# Altium PCB PCB2.PcbDoc (part 2 of 2)
Units mm, origin at the board's own origin, x right, y up, seen from the top; angles counter-clockwise.
Board outline 100.05 x 80.64 mm, 4 copper layers (Top Layer, Layer 2, Layer 3, Bottom Layer), stack 0.568 mm thick; 125 components, 107 nets, 600 pads, 307 vias.
Unrouted connection lines stored in the file: 1.
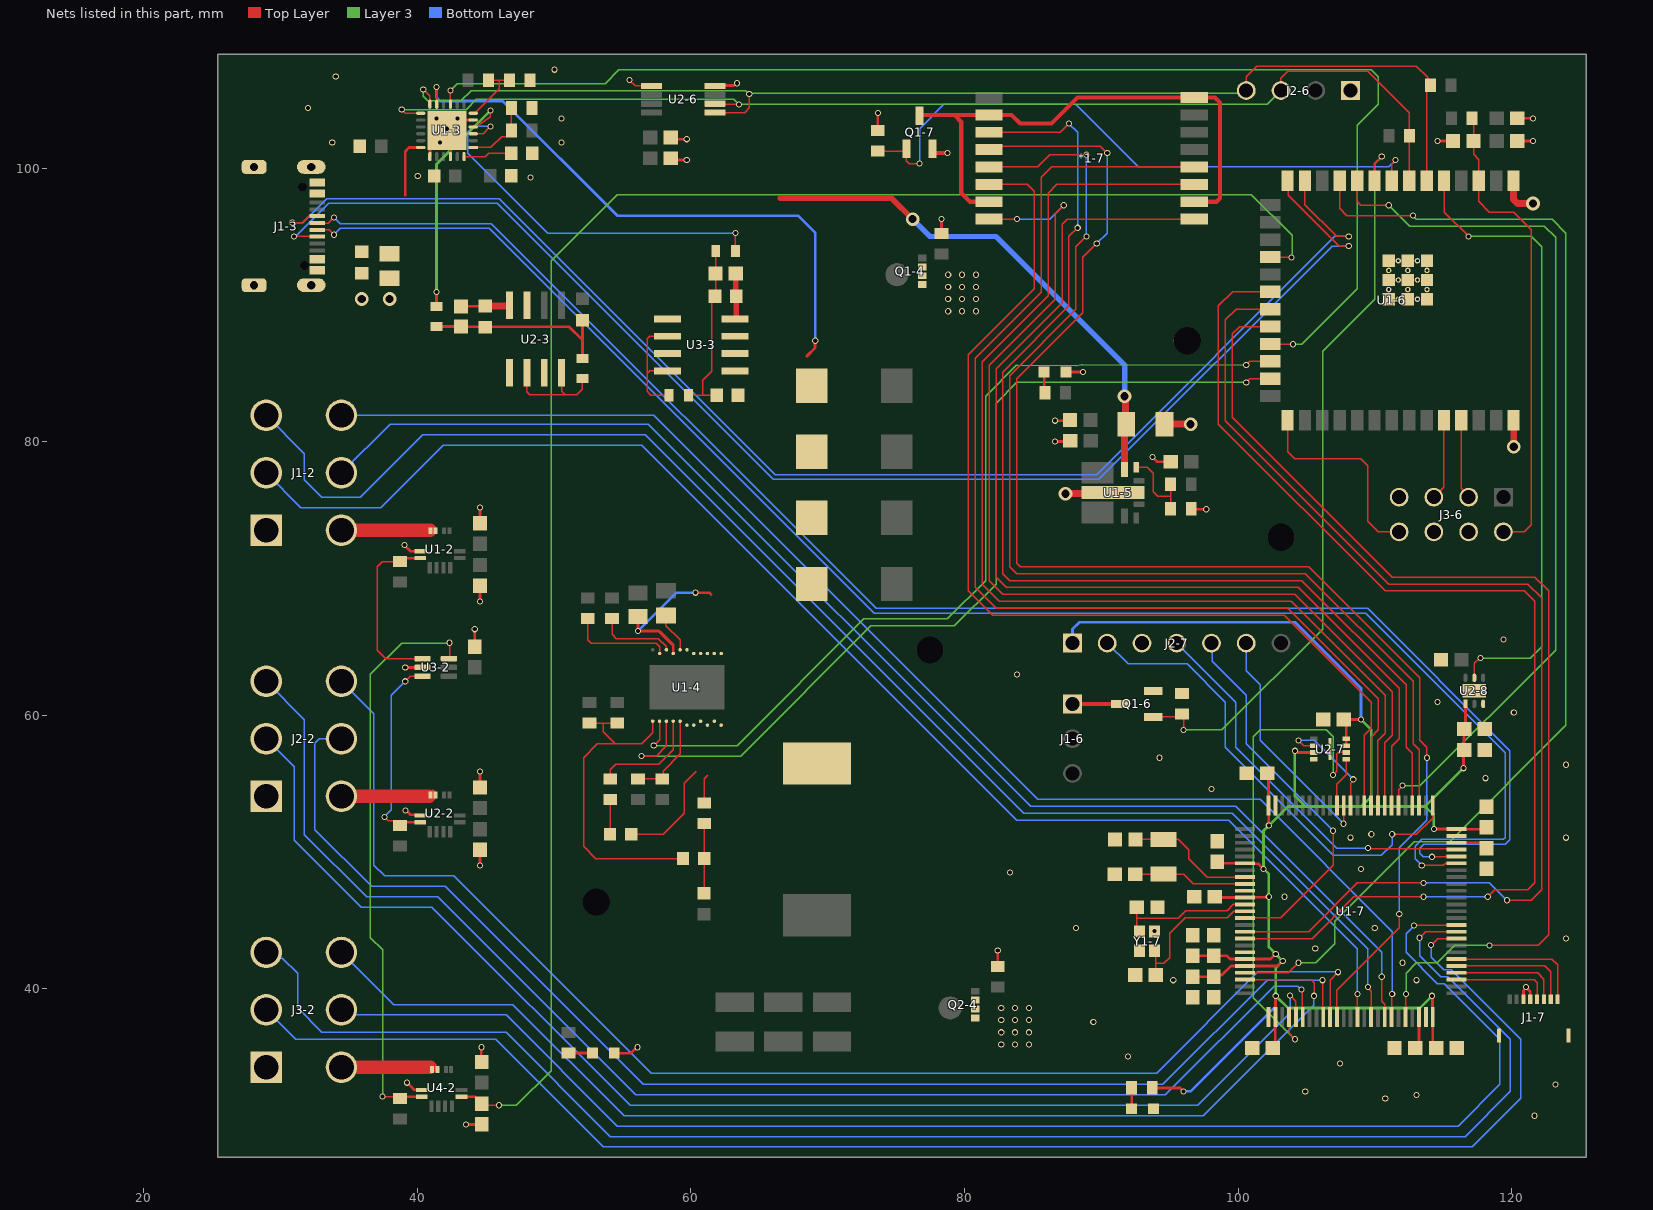
[diagram p4: the nets of this part, all layers, seen from the top]

## Via types
v1: diameter 0.45, hole 0.3, Top Layer to Bottom Layer, 274 vias
v2: diameter 0.6, hole 0.3, Top Layer to Bottom Layer, 21 vias
v3: diameter 1, hole 0.6, Top Layer to Bottom Layer, 9 vias
v4: diameter 0.9, hole 0.6, Top Layer to Bottom Layer, 3 vias

## Nets (pads, with @x,y where several pads share a name; then routed paths per layer and width w, separated by ;. In a path a pad name is that pad's centre, name@x,y a point inside that pad or via, vN(x,y) a via of type N, cw(c..) or ccw(c..) an arc to the next point about the centre after c; other vN are vias at no path point) (continued)
current-2: C6-2.1 U1-6.18 U4-2.11 | length 127.6
  Top Layer w0.1: C6-2.1@44.803,31.512 44.819,31.496 v1(45.974,31.496) ; U1-6.18@102.358,93.493 102.379,93.472 v1(103.886,93.472)
  Top Layer w0.2: U4-2.11@43.233,32.118 44.222,32.118 C6-2.1@44.704,31.636
  Top Layer w0.381: C6-2.1@44.704,31.636 C6-2.1@44.704,31.611 C6-2.1@44.803,31.512
  Layer 3 w0.1: v1(45.974,31.496) 47.244,31.496 49.784,34.036 49.784,93.218 54.61,98.044 100.965,98.044 103.937,95.072 103.937,93.523 v1(103.886,93.472)
DIS0-CH0: J1-2.2 U1-7.39 | length 102.9
  Top Layer w0.1: v1(108.712,39.624) v1(108.712,39.624) 108.713,37.96 U1-7.39@108.715,37.958
  Bottom Layer w0.1: J1-2.2@28.956,77.724 31.496,75.184 37.338,75.184 41.91,79.756 56.388,79.756 83.82,52.324 99.314,52.324 108.712,42.926 v1(108.712,39.624)
DIS0-CH1: J1-2.3 U1-7.41 | length 106.6
  Top Layer w0.1: v1(109.474,40.132) 109.474,40.083 109.715,39.842 U1-7.41@109.715,37.958
  Bottom Layer w0.1: J1-2.3@28.956,81.924 31.75,79.13 31.75,77.216 33.02,75.946 35.814,75.946 40.386,80.518 56.642,80.518 84.328,52.832 99.568,52.832 109.474,42.926 v1(109.474,40.132)
DIS0-CH2: J1-2.5 U1-7.43 | length 98.3
  Top Layer w0.1: v1(110.49,40.894) 110.49,39.116 110.715,38.891 U1-7.43@110.715,37.958
  Bottom Layer w0.1: J1-2.5@34.456,77.724 38.012,81.28 56.896,81.28 84.836,53.34 99.822,53.34 110.49,42.672 v1(110.49,40.894)
DIS0-CH3: J1-2.6 U1-7.44 | length 98.7
  Top Layer w0.1: U1-7.44@111.215,37.958 111.233,37.977 111.233,39.605 v1(111.252,39.624)
  Bottom Layer w0.1: J1-2.6@34.456,81.924 57.268,81.924 85.344,53.848 101.6,53.848 111.252,44.196 v1(111.252,39.624)
DIS1-CH0: J2-2.2 U1-7.30 | length 94.9
  Top Layer w0.1: v1(103.784,39.522) 104.215,39.092 U1-7.30@104.215,37.958
  Bottom Layer w0.1: J2-2.2@28.956,58.284 30.988,56.252 30.988,50.876 35.89,45.974 41.072,45.974 55.55,31.496 97.028,31.496 103.784,38.252 v1(103.784,39.522)
DIS1-CH1: J2-2.3 U1-7.31 | length 98.5
  Top Layer w0.1: v1(104.623,39.954) 104.669,39.908 104.669,38.004 U1-7.31@104.715,37.958
  Bottom Layer w0.1: J2-2.3@28.956,62.484 31.75,59.69 31.75,51.283 36.297,46.736 41.504,46.736 55.982,32.258 94.666,32.258 102.616,40.208 104.346,40.208 104.6,39.954 v1(104.623,39.954)
DIS1-CH2: J2-2.5 U1-7.34 | length 95.6
  Top Layer w0.1: v1(106.172,40.64) 106.193,40.619 106.193,37.98 U1-7.34@106.215,37.958
  Bottom Layer w0.1: J2-2.5@34.456,58.284 32.833,58.284 32.512,57.963 32.512,51.638 36.652,47.498 42.037,47.498 56.515,33.02 94.488,33.02 102.108,40.64 v1(106.172,40.64)
DIS1-CH3: J2-2.6 U1-7.35 | length 97.8
  Top Layer w0.1: U1-7.35@106.715,37.958 106.715,40.649 v1(107.29,41.224)
  Bottom Layer w0.1: J2-2.6@34.456,62.484 36.83,60.11 36.83,49.047 37.617,48.26 42.672,48.26 57.087,33.845 94.043,33.845 101.445,41.247 107.267,41.247 v1(107.29,41.224)
E28-Power: Q1-7.1 R1-7.2 U1-6.8 | length 45.9
  Top Layer w0.1: R1-7.2@73.66,101.231 75.573,101.231 Q1-7.1@75.733,101.391 ; Q1-7.1@75.758,101.416 Q1-7.1@75.733,101.391 ; v1(76.708,100.33) 75.946,100.33 75.733,100.543 Q1-7.1@75.733,101.391 ; U1-6.8@111.228,99.068 111.228,100.306 v1(111.506,100.584)
  Bottom Layer w0.1: v1(76.708,100.33) 76.708,102.87 78.486,104.648 88.138,104.648 92.71,100.076 110.998,100.076 v1(111.506,100.584)
E28_BUSY: *1-7.10 U1-7.85 | length 84.3
  Top Layer w0.1: *1-7.10@96.788,100.076 86.36,100.076 85.598,99.314 85.598,90.932 80.772,86.106 80.772,69.342 82.296,67.818 103.632,67.818 110.236,61.214 110.236,58.928 109.715,58.407 U1-7.85@109.715,53.402
E28_MISO: *1-7.2 U1-7.79 | length 83.4
  Top Layer w0.1: *1-7.2@81.788,102.616 86.995,102.616 v1(87.63,103.251) ; v1(88.265,95.631) 87.63,94.996 87.63,89.916 82.804,85.09 82.804,70.358 83.312,69.85 104.648,69.85 112.268,62.23 112.268,57.658 112.715,57.211 U1-7.79@112.715,53.402
  Bottom Layer w0.1: v1(87.63,103.251) 88.265,102.616 v1(88.265,95.631)
E28_MOSI: *1-7.3 U1-7.36 | length 102.3
  Top Layer w0.1: *1-7.3@81.788,101.346 82.042,101.6 89.916,101.6 v1(90.424,101.092) ; v1(89.662,94.488) 88.646,93.472 88.646,89.408 83.82,84.582 83.82,71.12 84.074,70.866 105.156,70.866 113.284,62.738 113.284,58.166 113.792,57.658 v1(113.792,56.896) ; U1-7.36@107.215,37.958 107.215,39.905 111.771,44.461 v1(111.771,45.466)
  Bottom Layer w0.1: v1(89.662,94.488) 90.424,95.25 v1(90.424,101.092) ; v1(111.771,45.466) 111.771,50.303 113.792,52.324 v1(113.792,56.896)
E28_NSS: *1-7.5 U1-7.86 | length 75.3
  Top Layer w0.1: *1-7.5@81.788,98.806 84.582,98.806 85.09,98.298 85.09,91.186 80.264,86.36 80.264,69.088 82.042,67.31 103.378,67.31 109.728,60.96 109.728,59.055 109.215,58.542 U1-7.86@109.215,53.402
E28_RESET: *1-7.9 U1-7.84 | length 82.6
  Top Layer w0.1: *1-7.9@96.788,98.806 86.741,98.806 86.106,98.171 86.106,90.678 81.28,85.852 81.28,69.596 82.55,68.326 103.886,68.326 110.744,61.468 110.744,58.674 110.215,58.145 U1-7.84@110.215,53.402
E28_RXEN: *1-7.7 U1-7.83 | length 76.9
  Top Layer w0.1: *1-7.7@81.788,96.266 v1(83.82,96.266) ; v1(87.249,97.282) 86.614,96.647 86.614,90.424 81.788,85.598 81.788,69.85 82.804,68.834 104.14,68.834 111.252,61.722 111.252,58.547 110.715,58.01 U1-7.83@110.715,53.402
  Bottom Layer w0.1: v1(83.82,96.266) 86.233,96.266 v1(87.249,97.282)
E28_SCK: *1-7.4 U1-7.78 | length 82.1
  Top Layer w0.1: *1-7.4@81.788,100.076 85.344,100.076 86.233,100.965 v1(88.9,100.965) ; v1(88.9,94.996) 88.138,94.234 88.138,89.662 83.312,84.836 83.312,70.866 83.82,70.358 104.902,70.358 112.776,62.484 112.776,57.912 113.215,57.473 U1-7.78@113.215,53.402
  Bottom Layer w0.1: v1(88.9,94.996) v1(88.9,100.965)
E28_TXEN: *1-7.8 U1-7.82 | length 79.2
  Top Layer w0.1: *1-7.8@96.788,96.266 87.503,96.266 87.122,95.885 87.122,90.17 82.296,85.344 82.296,70.104 83.058,69.342 104.394,69.342 111.76,61.976 111.76,58.293 111.215,57.748 U1-7.82@111.215,53.402
ENABLE: U1-4.2 U1-6.24 | length 66.6
  Top Layer w0.1: v1(57.277,57.785) 57.706,58.214 U1-4.2@57.706,59.566 ; v1(100.584,85.598) 100.859,85.873 U1-6.24@102.358,85.873
  Layer 3 w0.1: v1(57.277,57.785) 63.373,57.785 72.644,67.056 78.74,67.056 81.534,69.85 81.534,83.312 83.791,85.569 83.82,85.598 83.902,85.598 88.131,85.556 ccw(c88.138,86.36) 88.138,85.556 88.174,85.556 88.57,85.614 cw(c88.646,85.09) 88.647,85.619 v1(100.584,85.598)
Fan-EN: Q1-6.1 R4-6.2 U1-6.9 | length 55
  Top Layer w0.1: Q1-6.1@93.783,59.883 95.685,59.883 R4-6.2@95.885,60.083 96.012,59.956 v1(96.012,58.928) ; U1-6.9@109.958,99.068 109.958,100.306 v1(110.49,100.838)
  Layer 3 w0.1: v1(96.012,58.928) 98.806,58.928 106.172,66.294 106.172,86.614 109.982,90.424 109.982,100.33 v1(110.49,100.838)
  Bottom Layer w0.1: v1@110.469,100.817 v1(110.49,100.838)
GND: C1-2.2 C1-3.2 C1-5.1 C1-6.1 C1-7.1 C1-8.1 C2-2.1 C2-3.2 C2-5.1 C2-6.1 C2-7.1 C2-8.1 C3-2.2 C3-3.2 C3-5.1 C3-6.1 C3-7.1 C3-8.1 C4-2.2 C4-3.2 C4-5.1 C4-6.1 C4-7.1 C4-8.1 C5-2.1 C5-3.1 C5-6.1 C5-7.1 C5-8.1 C6-2.2 C6-3.2 C6-8.1 C7-2.1 C7-8.1 C8-8.1 C9-8.1 C10-8.1 C11-8.1 C12-8.1 C13-8.1 C14-8.1 C15-8.1 D1-3.1 D1-5.1 D1-8.1 J1-2.1 J1-3.A1_B12 J1-3.B1_A12 J1-3.SH1 J1-3.SH2 J1-3.SH3 J1-3.SH4 J1-7.3 J1-7.4 J1-7.S1 J1-7.S2 J2-2.1 J2-6.01 J2-7.03 J3-2.1 J3-6.04 J3-6.06 J3-6.07 pad.1@96.266,87.376 Q1-4.1 Q1-4.2 Q1-4.3 Q1-6.2 Q1-7.2 Q2-4.1 Q2-4.2 Q2-4.3 R1-7.1 R2-3.1 R2-5.1 R4-3.1 R4-6.1 R9-4.1 R10-4.1 U1-2.5 U1-3.5 U1-3.19 U1-3.22 U1-3.25 U1-5.8 U1-6.1 U1-6.40 U1-6.41_1 U1-6.41_2 U1-6.41_3 U1-6.41_4 U1-6.41_5 U1-6.41_6 U1-6.41_7 U1-6.41_8 U1-6.41_9 U1-6.41_10 U1-6.41_11 U1-6.41_12 U1-6.41_13 U1-6.41_14 U1-6.41_15 U1-6.41_16 U1-6.41_17 U1-6.41_18 U1-6.41_19 U1-6.41_20 U1-6.41_21 U1-7.10 U1-7.19 U1-7.26 U1-7.49 U1-7.74 U1-7.99 U2-2.5 U2-6.4 U2-6.5 U2-7.4 U2-7.9 U2-8.3 U2-8.7 U3-2.2 U4-2.5 Y1-7.2 Y1-7.4 | length 54.9
  Top Layer w0.1: v1(55.499,106.426) 55.926,105.999 U2-6.5@57.106,105.999
  Top Layer w0.2: C4-3.2@35.801,101.6 C4-3.2@35.814,101.587 ; v1(39.065,72.441) 39.065,72.415 39.483,71.997 U1-2.5@40.197,71.997 ; v1(39.116,63.5) U3-2.2@40.386,63.5 ; v1(39.141,53.035) 39.209,53.035 39.51,52.734 40.156,52.734 U2-2.5@40.206,52.684 ; v1(39.243,33.147) 39.753,32.637 40.314,32.637 U4-2.5@40.333,32.618 ; U1-3.19@40.926,100.83 U1-3.19@40.918,100.838 40.918,101.504 U1-3.25@42.168,102.754 ; C3-3.2@41.211,99.441 C3-3.2@41.237,99.416 ; U1-3.22@42.418,100.838 U1-3.25@42.418,102.504 ; U1-3.25@42.918,103.504 U1-3.5@44.084,103.504 ; v1(43.561,30.099) 44.692,30.099 C6-2.2@44.698,30.105 ; v1(44.196,66.294) C4-2.2@44.196,65.012 C4-2.2@44.596,65.412 ; v1(44.577,49.022) C3-2.2@44.577,50.177 ; C5-2.1@44.577,54.725 v1(44.577,55.88) ; v1(44.577,68.326) C1-2.2@44.577,69.481 ; C2-2.1@44.577,74.029 v1(44.577,75.184) ; v1(44.679,35.738) 44.679,34.684 C7-2.1@44.704,34.659 ; D1-3.1@54.394,35.306 55.631,35.306 56.063,35.738 v1(56.083,35.738) ; U2-6.5@57.106,105.999 U2-6.5@57.111,106.004 ; C5-6.1@58.535,100.711 58.662,100.584 v1(59.69,100.584) ; C4-6.1@58.535,102.235 58.662,102.108 v1(59.69,102.108) ; U2-6.4@61.761,106.004 61.781,106.024 63.137,106.024 63.305,106.193 v1(63.373,106.193) ; R1-7.1@73.66,102.731 v1(73.66,104.013) ; R9-4.1@78.318,95.209 v1(78.318,96.262) ; R10-4.1@82.423,41.644 v1(82.423,42.799) ; v1(86.614,80.01) 87.663,80.01 C3-5.1@87.712,80.059 ; v1(86.614,81.534) 87.651,81.534 C2-5.1@87.7,81.583 ; D1-5.1@87.414,85.09 v1(88.646,85.09) ; U1-5.8@90.766,76.2 U1-5.8@90.844,76.278 ; v1(93.726,78.867) 94.058,78.535 C4-5.1@95.078,78.535 ; R2-5.1@96.566,75.106 96.615,75.057 v1(97.663,75.057) ; v1(114.554,101.981) C3-6.1@115.697,101.981 ; U1-6.40@120.118,81.568 U1-6.40@120.142,81.544 ; C2-6.1@120.384,101.981 v1(121.539,101.981) ; C1-6.1@120.384,103.632 v1(121.539,103.632) ; J1-7.3@120.844,39.243 120.844,39.893 121.031,40.08 v1(121.031,40.132) 121.344,39.819 J1-7.4@121.344,39.243
  Top Layer w0.3: Q1-7.2@77.658,101.416 77.658,101.242 77.808,101.092 v1(78.74,101.092)
  Top Layer w0.381: U1-3.25@42.418,102.504 U1-3.25@42.168,102.754 U1-3.25@42.918,103.504 ; C6-2.2@44.698,30.105 C6-2.2@44.704,30.111
  Top Layer w0.5: v3(87.376,76.2) U1-5.8@90.766,76.2 ; C1-5.1@94.618,81.28 v3(96.52,81.28) ; U1-6.1@120.118,99.068 120.118,97.702 120.411,97.409 v3(121.539,97.409) ; v3(120.142,79.629) U1-6.40@120.142,81.544
  other v1: 121.666,30.734 110.744,32.004 113.03,32.258 104.902,32.512 123.19,33.02 107.442,34.544 91.948,35.052 82.677,35.941 83.693,35.941 84.709,35.941 82.677,36.83 83.693,36.83 84.709,36.83 89.408,37.592 82.677,37.719 83.693,37.719 84.709,37.719 82.677,38.608 83.693,38.608 84.709,38.608 95.25,40.64 113.03,40.64 112.014,41.91 105.633,42.957 123.952,43.688 93.878,44.247 88.138,44.45 109.982,44.45 103.378,46.736 83.312,48.514 108.966,48.768 108.204,51.054 123.952,51.054 109.728,51.308 98.044,54.61 118.079,55.403 123.952,56.388 94.234,56.896 120.142,60.198 114.554,60.96 83.82,62.992 119.38,65.532 78.8,89.531 79.816,89.531 80.832,89.531 78.8,90.42 79.816,90.42 80.832,90.42 78.8,91.309 79.816,91.309 80.832,91.309 78.8,92.198 79.816,92.198 80.832,92.198 48.26,99.314 40.03,99.416 33.782,101.854 41.656,101.854 50.546,101.854 42.164,102.87 41.402,103.632 42.926,103.632 50.546,103.632 32.004,104.394 34.036,106.68 50.038,107.188
  other v3: 35.941,90.424 37.973,90.424
H_OSC_IN: C2-7.2 U1-7.12 Y1-7.1 | length 10.2
  Top Layer w0.1: C2-7.2@92.595,45.974 92.595,45.182 ; Y1-7.1@92.789,44.196 92.595,44.39 92.595,45.182 ; U1-7.12@100.493,46.18 99.647,46.18 99.187,45.72 96.16,45.72 95.622,45.182 92.595,45.182
H_OSC_OUT: C3-7.2 U1-7.13 Y1-7.3 | length 11
  Top Layer w0.1: Y1-7.3@93.889,42.796 93.968,42.717 93.968,41.869 ; C3-7.2@93.968,41.021 93.968,41.869 ; U1-7.13@100.493,45.68 99.655,45.68 99.187,45.212 96.139,45.212 94.996,44.069 94.996,42.291 94.574,41.869 93.968,41.869
L_OSC_IN: C5-7.2 U1-7.9 Y2-7.2 | length 8.3
  Top Layer w0.1: C5-7.2@92.48,48.387 96.012,48.387 96.719,47.68 U1-7.9@100.493,47.68
L_OSC_OUT: C4-7.2 U1-7.8 Y2-7.1 | length 9.5
  Top Layer w0.1: C4-7.2@92.492,50.927 95.631,50.927 96.393,50.165 96.393,49.53 97.743,48.18 U1-7.8@100.493,48.18
MISO-ESP32: U1-6.20 U1-7.17 | length 84.8
  Top Layer w0.1: U1-7.17@100.493,43.68 105.402,43.68 108.458,46.736 v1(113.538,46.736) ; U1-6.20@102.358,90.953 99.589,90.953 98.552,89.916 98.552,81.28 110.744,69.088 120.904,69.088 121.666,68.326 121.666,47.752 121.158,47.244 118.745,47.244 v1(118.237,46.736)
  Bottom Layer w0.1: v1(113.538,46.736) v1(118.237,46.736)
MISO-Flash: U1-7.90 U2-7.5 | length 3.8
  Top Layer w0.1: U1-7.90@107.215,53.402 107.215,54.967 107.901,55.653 U2-7.5@107.901,56.781 U2-7.5@107.806,56.686
MOSI-ESP32: U1-6.21 U1-7.16 | length 84.8
  Top Layer w0.1: U1-7.16@100.493,44.18 105.14,44.18 108.712,47.752 v1(113.538,47.752) ; U1-6.21@102.358,89.683 99.843,89.683 99.06,88.9 99.06,81.534 110.998,69.596 121.158,69.596 122.174,68.58 122.174,47.244 121.412,46.482 v1(119.634,46.482)
  Bottom Layer w0.1: v1(113.538,47.752) 118.364,47.752 v1(119.634,46.482)
MOSI-Flash: U1-7.88 U2-7.2 | length 8.5
  Top Layer w0.1: v1(104.394,58.166) 104.775,57.785 105.527,57.785 U2-7.2@105.531,57.781 ; U1-7.88@108.215,53.402 108.215,55.034 108.407,55.226 v1(108.407,55.321)
  Bottom Layer w0.1: v1(104.394,58.166) 105.562,58.166 v1(108.407,55.321)
Net*1-7_6: *1-7.6 Q1-7.3 | length 40.4
  Top Layer w0.3: Q1-7.3@76.708,103.816 76.778,103.886 79.248,103.886 ; *1-7.6@81.788,97.536 80.391,97.536 79.756,98.171 79.756,103.378 79.248,103.886 ; *1-7.6@96.788,97.536 98.425,97.536 98.679,97.79 98.679,104.775 98.424,105.03 98.298,105.156 *1-7.6@96.788,105.156 88.265,105.156 86.366,103.257 84.068,103.257 83.439,103.886 *1-7.6@81.788,103.886 79.248,103.886
NetC1-3_1: C1-3.1 U1-3.24 | length 3.8
  Top Layer w0.1: U1-3.24@43.418,100.838 44.958,100.838 45.212,101.092 C1-3.1@46.85,101.092
  Top Layer w0.2: U1-3.24@43.418,100.617 U1-3.24@43.418,100.838
NetC6-4_1: C6-4.1 L1-4.1 R5-4.2 U1-4.6 U1-4.7 U1-4.8 U1-4.9 U1-4.10 U1-4.11 | length 10.1
  Top Layer w0.1: C6-4.1@55.634,51.308 57.963,51.308 59.512,52.857 59.512,55.042 60.376,55.905 ; R5-4.2@60.96,53.582 60.96,55.372 61.214,55.626
NetC6-4_2: C6-4.2 R2-4.1 | length 2.6
  Top Layer w0.1: C6-4.2@54.094,51.308 54.102,51.316 R2-4.1@54.102,53.86
NetC7-3_1: C7-3.1 C8-3.1 R5-3.1 R6-3.1 R9-3.2 | length 13.9
  Top Layer w0.2: R9-3.2@41.407,88.424 R6-3.1@43.175,88.424 ; R6-3.1@43.206,88.393 51.104,88.393 52.07,87.427 ; R5-3.1@52.07,86.069 52.07,87.427 ; C8-3.1@52.07,88.887 52.07,87.427
  Top Layer w0.5: R9-3.2@41.402,88.429 R9-3.2@41.407,88.424 ; R6-3.1@43.175,88.424 R6-3.1@43.18,88.419 R6-3.1@43.206,88.393
NetC7-4_2: C7-4.2 U1-4.18 | length 2.9
  Top Layer w0.1: C7-4.2@58.166,67.299 58.166,66.548 59.206,65.508 U1-4.18@59.206,64.791
NetC8-8_2: C8-8.2 C9-8.2 U1-7.48 U1-7.73 | length 4.8
  Top Layer w0.1: C8-8.2@112.927,35.687 C8-8.2@113.215,35.975 ; C9-8.2@117.746,50.68 C9-8.2@118.146,50.28
  Top Layer w0.2: C8-8.2@113.215,35.975 U1-7.48@113.215,37.958 ; U1-7.73@115.936,50.68 C9-8.2@117.746,50.68
NetC9-3_1: C9-3.1 C10-3.1 R7-3.1 R8-3.1 R10-3.2 | length 13
  Top Layer w0.1: R7-3.1@59.831,83.388 60.859,83.388 ; R10-3.2@61.81,93.929 61.81,92.288 R8-3.1@61.8,92.278 61.8,90.667 61.519,90.386 61.519,85.141 60.859,84.481 60.859,83.388 ; C10-3.1@61.887,83.388 60.859,83.388
NetC11-4_2: C11-4.2 C12-4.1 R5-4.1 | length 5.4
  Top Layer w0.1: R5-4.1@60.579,52.082 60.579,51.828 R5-4.1@60.587,51.82 ; C11-4.2@60.96,46.998 60.968,47.006 C12-4.1@60.968,49.53 60.96,49.538 R5-4.1@60.96,52.082
NetC12-4_2: C12-4.2 R4-4.1 R7-4.2 U1-4.1 | length 24.7
  Top Layer w0.1: R4-4.1@52.578,59.448 52.59,59.436 53.6,59.436 ; R7-4.2@54.61,59.436 53.6,59.436 ; U1-4.1@57.206,59.566 57.206,58.73 56.388,57.912 54.483,57.912 ; C12-4.2@59.428,49.53 53.035,49.53 52.146,50.419 52.146,56.896 53.162,57.912 54.483,57.912 ; 53.6,59.436 53.594,59.43 53.594,58.801 54.483,57.912
NetD1-3_2: D1-3.2 R11-3.2 | length 1.7
  Top Layer w0.2: R11-3.2@51.054,35.318 52.782,35.318 D1-3.2@52.794,35.306
NetD1-5_2: D1-5.2 R3-5.2 | length 1.5
  Top Layer w0.2: D1-5.2@85.814,85.09 85.814,83.616 R3-5.2@85.864,83.566
NetD1-8_2: D1-8.2 R1-8.2 | length 1.5
  Top Layer w0.2: D1-8.2@92.215,31.242 R1-8.2@92.214,32.766
NetJ1-2_4: J1-2.4 U1-2.3 U1-2.4 | length 6.6
  Top Layer w0.381: J1-2.4@34.456,73.524 J1-2.4@34.476,73.504 ; U1-2.4@40.937,73.504 U1-2.4@40.957,73.484 40.957,73.513 U1-2.4@40.946,73.524
  Top Layer w1: J1-2.4@34.456,73.524 U1-2.4@40.946,73.524
NetJ1-6_01: J1-6.01 Q1-6.3 | length 3.5
  Top Layer w0.3: J1-6.01@87.884,60.833 Q1-6.3@91.383,60.833
NetJ2-2_4: J2-2.4 U2-2.3 U2-2.4 | length 7.1
  Top Layer w0.381: J2-2.4@34.456,54.084 J2-2.4@34.808,53.732 ; U2-2.4@40.88,54.084 40.957,54.161 U2-2.4@40.957,54.18 U2-2.4@40.957,54.199 ; 41.148,54.356 41.148,54.39
  Top Layer w1: J2-2.4@34.456,54.084 U2-2.4@40.88,54.084
NetJ3-2_4: J3-2.4 U4-2.3 U4-2.4 | length 7.3
  Top Layer w0.381: J3-2.4@34.456,34.272 J3-2.4@34.614,34.114 ; U4-2.4@40.945,34.272 41.084,34.133 U4-2.4@41.084,34.114 ; U4-2.4@41.084,34.174 U4-2.3@41.424,34.174
  Top Layer w1: J3-2.4@34.456,34.272 U4-2.4@40.945,34.272
NetR1-2_2: R1-2.2 U1-2.6 U3-2.1 | length 13
  Top Layer w0.1: R1-2.2@38.735,71.235 37.453,71.235 37.084,70.866 37.084,64.77 37.704,64.15 U3-2.1@40.386,64.15
  Top Layer w0.2: R1-2.2@38.735,71.235 38.988,71.488 U1-2.6@40.206,71.488
NetR1-3_1: R1-3.1 R2-3.2 U1-3.6 | length 4.9
  Top Layer w0.1: U1-3.6@44.084,104.004 44.267,104.004 44.331,104.068 44.331,104.138 45.974,105.781 45.974,106.426 ; R1-3.1@45.2,106.426 45.974,106.426 ; R2-3.2@46.748,106.426 45.974,106.426
NetR1-4_2: R1-4.2 R3-4.1 U1-4.5 | length 6.5
  Top Layer w0.1: R1-4.2@56.134,55.36 R3-4.1@57.912,55.36 57.96,55.408 57.96,55.928 59.206,57.174 U1-4.5@59.206,59.566
NetR1-5_1: R1-5.1 R2-5.2 U1-5.1 | length 6
  Top Layer w0.1: U1-5.1@92.544,78.128 93.347,78.128 93.802,77.673 93.802,76.327 94.134,75.995 95.066,75.995 ; R2-5.2@95.066,75.106 95.066,75.995 ; R1-5.1@95.066,76.884 95.066,75.995
NetR2-2_2: R2-2.2 U2-2.6 U3-2.3 | length 14.9
  Top Layer w0.1: v1(37.592,52.578) 37.889,52.281 38.385,52.281 R2-2.2@38.729,51.937 ; v1(39.116,62.484) 39.472,62.84 40.376,62.84 U3-2.3@40.386,62.85
  Top Layer w0.2: R2-2.2@38.988,52.184 U2-2.6@40.206,52.184
  Top Layer w0.381: R2-2.2@38.729,51.937 R2-2.2@38.735,51.931 R2-2.2@38.945,52.141
  Bottom Layer w0.1: v1(37.592,52.578) 38.1,53.086 38.1,61.468 v1(39.116,62.484)
NetR2-4_2: R2-4.2 U1-4.4 | length 8
  Top Layer w0.1: R2-4.2@54.102,55.36 54.102,56.032 54.508,56.439 57.658,56.439 58.706,57.487 U1-4.4@58.706,59.566
NetR3-2_2: R3-2.2 U3-2.6 U4-2.6 | length 42.2
  Top Layer w0.1: v1(37.465,32.131) 38.596,32.131 R3-2.2@38.735,31.992 ; U3-2.6@42.306,64.15 42.354,64.198 v1(42.354,65.304)
  Top Layer w0.2: R3-2.2@38.735,31.992 38.861,32.118 U4-2.6@40.333,32.118
  Layer 3 w0.1: v1(37.465,32.131) 37.465,42.846 36.576,43.735 36.576,62.992 38.862,65.278 v1@42.418,65.278
NetR3-3_1: R3-3.1 R4-3.2 U1-3.1 | length 5
  Top Layer w0.1: U1-3.1@44.084,101.504 45.37,101.504 46.159,102.293 46.525,102.293 46.875,102.643 R3-3.1@46.875,102.743 R4-3.2@46.875,104.394
NetR5-3_2: R5-3.2 U2-3.2 U2-3.4 | length 8.3
  Top Layer w0.1: U2-3.2@48.006,85.039 48.006,83.642 48.235,83.414 50.8,83.414 ; U2-3.4@50.546,85.039 50.546,83.668 50.8,83.414 ; R5-3.2@52.07,84.619 52.07,83.82 51.664,83.414 50.8,83.414
NetR6-4_1: R6-4.1 U1-4.21 | length 7.5
  Top Layer w0.1: R6-4.1@52.451,67.068 52.451,65.532 52.73,65.253 57.464,65.253 57.706,65.011 U1-4.21@57.706,64.516
NetR7-3_2: R7-3.2 U3-3.2 U3-3.4 | length 8.7
  Top Layer w0.1: U3-3.4@58.293,85.166 56.972,85.166 56.794,84.988 ; U3-3.2@58.293,87.706 56.972,87.706 56.794,87.528 56.794,84.988 ; R7-3.2@58.381,83.388 57.074,83.388 56.794,83.668 56.794,84.988
NetR8-4_1: R8-4.1 U1-4.20 | length 5.7
  Top Layer w0.1: R8-4.1@54.229,67.068 54.229,65.913 54.534,65.608 57.609,65.608 58.177,65.04 58.177,64.82 U1-4.20@58.206,64.791
NetU2-3_1: U2-3.1 U2-3.3
NetU3-3_1: U3-3.1 U3-3.3
NRST: J2-7.05 U1-7.14 | length 28
  Top Layer w0.1: U1-7.14@100.493,45.18 100.509,45.196 103.108,45.196 106.934,49.022 v1(106.934,51.562)
  Bottom Layer w0.1: J2-7.05@98.044,65.278 98.117,65.205 98.117,63.935 100.584,61.468 100.584,57.912 v1(106.934,51.562)
PD-FAULT: U1-3.9 U1-6.23 | length 93.8
  Top Layer w0.1: U1-3.9@42.418,104.669 v1(42.418,105.664) ; U1-6.23@102.358,87.143 102.379,87.122 v1(104.013,87.122)
  Layer 3 w0.1: v1(42.418,105.664) 42.926,106.172 53.721,106.172 54.737,107.188 109.728,107.188 110.236,106.68 110.236,104.648 108.712,103.124 108.712,91.186 104.648,87.122 v1(104.013,87.122)
PD_VCC: C1-4.2 C2-4.1 C3-4.1 C4-4.1 C5-4.1 C10-3.2 U1-3.11 U1-4.12 U1-4.13 U1-4.14 U1-4.15 U1-4.16 U1-4.17 U1-4.19 U3-3.5 U3-3.6 | length 54.8
  Top Layer w0.2: v1(41.402,105.918) 41.418,105.902 U1-3.11@41.418,104.669 ; C1-4.2@56.139,67.434 C1-4.2@56.134,67.209 56.125,66.759 C1-4.2@56.134,66.759 ; C1-4.2@56.388,66.759 C1-4.2@56.134,66.759 ; U1-4.19@58.706,64.516 58.706,65.119 57.717,66.108 57.658,66.167 v1(56.134,66.167) C1-4.2@56.134,66.759 ; v1(60.325,68.961) 61.341,68.961 61.468,68.834 ; 68.463,86.243 69.071,86.851 69.071,87.359 v1(69.088,87.376)
  Bottom Layer w0.2: v1(41.402,105.918) 41.402,105.156 41.656,104.902 46.228,104.902 54.61,96.52 67.818,96.52 69.088,95.25 v1(69.088,87.376) ; v1(56.134,66.167) 58.928,68.961 v1(60.325,68.961)
PG-STM_VDD: U1-6.5 U2-8.5 | length 46.2
  Top Layer w0.1: U1-6.5@115.038,99.068 115.062,99.044 115.062,96.774 v1(116.84,94.996) ; U2-8.5@117.257,62.738 117.257,63.79 117.653,64.186 v1(117.704,64.186)
  Layer 3 w0.1: v1(116.84,94.996) 121.412,94.996 122.174,94.234 122.174,65.024 121.336,64.186 v1(117.704,64.186)
PGOOD: U1-4.3 U1-6.25 | length 69.1
  Top Layer w0.1: v1(56.388,57.023) 57.455,57.023 58.206,57.774 U1-4.3@58.206,59.566 ; v1(100.584,84.328) 100.859,84.603 U1-6.25@102.358,84.603
  Layer 3 w0.1: v1(56.388,57.023) 63.627,57.023 73.152,66.548 79.248,66.548 82.296,69.596 82.296,82.804 83.82,84.328 v1(100.584,84.328)
Prog-mode: J3-6.08 U1-6.27 | length 15.3
  Top Layer w0.1: U1-6.27@103.608,81.568 103.632,81.544 103.632,79.248 104.14,78.74 108.966,78.74 109.474,78.232 109.474,74.168 110.236,73.406 J3-6.08@111.76,73.406
RESET: C3-6.2 J3-6.02 R1-6.1 U1-6.3 | length 34.8
  Top Layer w0.1: R1-6.1@117.082,103.632 117.197,103.517 C3-6.2@117.197,101.981 117.197,100.989 117.578,100.608 U1-6.3@117.578,99.068 117.578,97.56 118.364,96.774 120.142,96.774 121.412,95.504 121.412,73.914 120.904,73.406 J3-6.02@119.38,73.406
RX0-ESP: J3-6.05 U1-6.36 | length 5.9
  Top Layer w0.1: J3-6.05@114.3,75.946 115.038,76.684 U1-6.36@115.038,81.568
RX1-ESP32: U1-6.11 U1-7.22 | length 87.2
  Top Layer w0.1: U1-7.22@100.493,41.18 103.664,41.18 v1(104.394,41.91) ; U1-6.11@107.418,99.068 107.418,97.052 107.95,96.52 v1(112.776,96.52)
  Layer 3 w0.1: v1(104.394,41.91) 105.664,41.91 107.061,43.307 107.061,44.933 112.878,50.749 115.443,50.749 123.952,59.258 123.952,95.25 122.936,96.266 113.03,96.266 v1(112.776,96.52)
SCK-ESP32: U1-6.22 U1-7.46 | length 77.4
  Top Layer w0.1: U1-6.22@102.358,88.413 100.097,88.413 99.568,87.884 99.568,81.788 111.252,70.104 121.666,70.104 122.682,69.088 122.682,43.942 121.92,43.18 v1(118.364,43.18) ; U1-7.46@112.215,37.958 112.241,37.985 112.241,39.597 v1(112.268,39.624)
  Layer 3 w0.1: v1(112.268,39.624) 112.268,41.148 113.03,41.91 114.554,41.91 115.824,43.18 v1(118.364,43.18)
SCK-Flash: U1-7.29 U2-7.6 | length 36.6
  Top Layer w0.1: U1-7.29@103.715,37.958 103.715,36.747 v1(104.14,36.322) ; v1(106.934,55.626) 106.934,55.648 107.188,55.902 107.188,57.15 107.319,57.281 U2-7.6@107.901,57.281
  Layer 3 w0.1: v1(104.14,36.322) 101.092,39.37 101.092,58.42 101.6,58.928 106.426,58.928 106.934,58.42 v1(106.934,55.626)
SCL-ESP32: J2-6.03 R3-6.1 U1-3.13 U1-6.7 U2-6.2 | length 85.1
  Top Layer w0.1: v1(38.862,104.267) 38.875,104.267 39.134,104.008 40.248,104.008 U1-3.13@40.252,104.004 ; U2-6.2@61.761,104.704 61.817,104.648 v1(63.5,104.648) ; J2-6.03@103.124,105.664 103.124,106.553 103.632,107.061 109.474,107.061 112.51,104.025 R3-6.1@112.51,102.362 ; U1-6.7@112.498,99.068 R3-6.1@112.498,102.362
  Layer 3 w0.1: v1(38.862,104.267) 43.561,104.267 44.323,105.029 63.119,105.029 v1(63.5,104.648) 102.108,104.648 J2-6.03@103.124,105.664
SDA-ESP32: J2-6.04 R2-6.1 U1-3.12 U1-6.6 U2-6.1 | length 89.2
  Top Layer w0.1: v1(40.437,105.74) 40.906,105.271 40.906,104.681 U1-3.12@40.918,104.669 ; U2-6.1@61.761,104.054 63.922,104.054 64.262,104.394 v1(64.262,105.41) ; J2-6.04@100.584,105.664 100.584,106.68 101.346,107.442 113.03,107.442 113.836,106.636 113.836,106.267 R2-6.1@114.058,106.045 ; U1-6.6@113.768,99.068 113.768,104.394 113.768,105.283 R2-6.1@113.768,106.45
  Layer 3 w0.1: v1(40.437,105.74) 40.437,105.232 40.767,104.902 43.18,104.902 43.942,105.664 64.008,105.664 v1(64.262,105.41) 64.329,105.477 100.397,105.477 J2-6.04@100.584,105.664
STM_VDD: C1-7.2 C1-8.2 C2-8.2 C3-8.2 C4-8.2 C5-8.2 C6-8.2 C7-8.2 C10-8.2 C11-8.2 C12-8.2 C13-8.2 C15-8.2 J2-7.01 R1-8.1 U1-7.6 U1-7.11 U1-7.20 U1-7.21 U1-7.27 U1-7.50 U1-7.75 U1-7.100 U2-7.3 U2-7.7 U2-7.8 U2-8.1 | length 139.9
  Top Layer w0.1: C10-8.2@98.207,40.882 C10-8.2@98.338,41.013 ; C2-8.2@98.286,46.609 C2-8.2@98.357,46.68 ; C7-8.2@98.461,49.288 C7-8.2@98.569,49.18 ; C1-8.2@102.132,55.753 C1-8.2@102.215,55.67 ; C3-8.2@102.513,35.687 C3-8.2@102.715,35.889 ; C4-8.2@114.215,35.947 C4-8.2@114.475,35.687 ; C5-8.2@117.998,51.68 C5-8.2@118.146,51.828
  Top Layer w0.2: R1-8.1@93.714,32.766 95.758,32.766 v1(96.012,32.512) ; C11-8.2@96.683,40.882 C10-8.2@98.207,40.882 ; C13-8.2@96.683,42.43 C12-8.2@98.207,42.43 99.154,42.43 99.404,42.18 U1-7.20@100.493,42.18 102.366,42.18 102.731,42.545 v1(102.743,42.545) ; C10-8.2@98.338,41.013 98.798,41.013 99.465,41.68 U1-7.21@100.493,41.68 102.866,41.68 103.223,42.037 v1(103.251,42.037) ; C2-8.2@98.357,46.68 U1-7.11@100.493,46.68 100.521,46.708 102.207,46.708 v1(102.235,46.736) ; C7-8.2@98.569,49.18 U1-7.6@100.493,49.18 100.533,49.14 101.482,49.14 v1(101.854,48.768) ; C1-8.2@102.215,55.67 U1-7.100@102.215,53.402 102.225,53.391 102.225,51.953 v1(102.235,51.943) ; C3-8.2@102.715,35.889 U1-7.27@102.715,37.958 102.729,37.973 102.729,39.483 v1(102.743,39.497) ; v1(104.14,57.404) 104.208,57.404 104.331,57.281 U2-7.3@105.531,57.281 ; U2-7.7@107.901,57.781 U2-7.8@107.901,58.281 107.901,59.509 C1-7.2@107.72,59.69 v1(108.966,59.69) ; v1(114.173,39.497) 114.194,39.476 114.194,37.979 U1-7.50@114.215,37.958 C4-8.2@114.215,35.947 ; v1(114.3,51.689) 114.304,51.685 115.932,51.685 U1-7.75@115.936,51.68 C5-8.2@117.998,51.68 ; v1(116.459,56.134) 116.459,57.422 C6-8.2@116.507,57.47 C15-8.2@116.507,58.994 116.607,59.094 U2-8.1@116.607,60.838
  Layer 3 w0.2: v1(104.14,57.404) 104.14,54.102 104.902,53.34 ; v1(108.966,59.69) 109.728,58.928 109.728,54.077 108.991,53.34 ; v1(114.173,39.497) 113.284,38.608 103.632,38.608 v1(102.743,39.497) 102.743,41.529 v1(103.251,42.037) v1(102.743,42.545) 102.235,43.053 v1(102.235,46.736) 102.235,48.387 v1(101.854,48.768) 101.854,51.562 v1(102.235,51.943) 103.632,53.34 104.902,53.34 ; v1(114.3,51.689) 114.3,52.705 113.665,53.34 ; v1(116.459,56.134) 113.665,53.34 ; 104.902,53.34 108.991,53.34 ; 108.991,53.34 113.665,53.34
  Bottom Layer w0.2: J2-7.01@87.884,65.278 87.884,66.294 88.392,66.802 104.14,66.802 108.966,61.976 v1(108.966,59.69) ; v1(96.012,32.512) 96.52,32.512 102.699,38.691 102.699,39.453 v1(102.743,39.497)
STRIP0: J3-2.2 U1-7.59 | length 113.6
  Top Layer w0.1: v1(114.097,43.205) 114.571,43.68 U1-7.59@115.936,43.68
  Bottom Layer w0.1: J3-2.2@28.956,38.472 31.106,36.322 45.72,36.322 53.594,28.448 117.094,28.448 120.65,32.004 120.65,36.322 115.57,41.402 115.011,41.402 114.097,42.316 v1(114.097,43.205)
STRIP1: J3-2.3 U1-7.60 | length 116.5
  Top Layer w0.1: v1(113.259,43.739) 113.7,44.18 U1-7.60@115.936,44.18
  Bottom Layer w0.1: J3-2.3@28.956,42.672 29.377,42.251 30.139,42.251 31.242,41.148 31.242,38.608 33.02,36.83 46.482,36.83 54.102,29.21 116.586,29.21 119.888,32.512 119.888,36.322 115.316,40.894 114.808,40.894 113.259,42.443 v1(113.259,43.739)
STRIP2: J3-2.5 U1-7.61 | length 108.1
  Top Layer w0.1: v1(112.852,44.628) 112.878,44.654 115.91,44.654 U1-7.61@115.936,44.68
  Bottom Layer w0.1: J3-2.5@34.846,38.862 J3-2.5@34.456,38.472 34.96,38.472 35.332,38.1 46.482,38.1 54.61,29.972 116.078,29.972 119.126,33.02 119.126,36.322 115.062,40.386 114.554,40.386 112.268,42.672 112.268,44.044 v1(112.852,44.628)
STRIP3: J3-2.6 U1-7.23 | length 86.2
  Top Layer w0.1: U1-7.23@100.493,40.68 105.345,40.68 105.562,40.462 105.562,39.522 v1(105.537,39.497)
  Bottom Layer w0.1: J3-2.6@34.456,42.672 38.266,38.862 46.99,38.862 55.118,30.734 97.46,30.734 105.537,38.811 v1(105.537,39.497)
SW1: J1-7.6 U1-7.54 | length 8.1
  Top Layer w0.1: U1-7.54@115.936,41.18 121.888,41.18 122.344,40.724 J1-7.6@122.344,39.243
SW2: J1-7.7 U1-7.55 | length 9.1
  Top Layer w0.1: U1-7.55@115.936,41.68 122.404,41.68 122.844,41.24 J1-7.7@122.844,39.243
SW3: J1-7.8 U1-7.56 | length 10.2
  Top Layer w0.1: U1-7.56@115.936,42.18 122.92,42.18 123.344,41.756 J1-7.8@123.344,39.243 J1-7.8@123.444,39.343
SW-LED: J1-7.5 U1-7.53 | length 7.2
  Top Layer w0.1: U1-7.53@115.936,40.68 121.626,40.68 121.844,40.462 J1-7.5@121.844,39.243
SWCLK: J2-7.02 U1-7.76 | length 34.6
  Top Layer w0.1: v1(111.252,51.308) 113.03,51.308 114.215,52.493 U1-7.76@114.215,53.402
  Bottom Layer w0.1: J2-7.02@90.424,65.278 91.948,63.754 96.266,63.754 99.06,60.96 99.06,57.658 106.955,49.763 110.469,49.763 111.252,50.546 v1(111.252,51.308)
SWDIO: J2-7.04 U1-7.72 | length 28.6
  Top Layer w0.1: v1(109.474,50.292) 109.53,50.236 115.88,50.236 U1-7.72@115.936,50.18
  Bottom Layer w0.1: J2-7.04@95.504,65.278 99.822,60.96 99.822,57.658 107.188,50.292 v1(109.474,50.292)
SWO: J2-7.06 U1-7.89 | length 17.5
  Top Layer w0.1: v1(107.696,52.07) 107.705,52.079 107.705,53.392 U1-7.89@107.715,53.402
  Bottom Layer w0.1: J2-7.06@100.584,65.278 100.584,63.246 101.6,62.23 101.6,58.166 v1(107.696,52.07)
TX0-ESP: J3-6.03 U1-6.37 | length 5.8
  Top Layer w0.1: U1-6.37@116.308,81.568 116.308,76.595 116.84,76.063 J3-6.03@116.84,75.946
TX1-ESP32: U1-6.10 U1-7.81 | length 64.1
  Top Layer w0.1: U1-6.10@108.688,99.068 108.688,97.56 108.966,97.282 v1(110.998,97.282) ; U1-7.81@111.715,53.402 111.715,54.565 v1(112.014,54.864)
  Layer 3 w0.1: v1(110.998,97.282) 112.522,95.758 122.377,95.758 123.19,94.945 123.19,64.77 113.284,54.864 v1(112.014,54.864)
USB-ESP_N: J1-3.B7 U1-6.13 | length 101.4
  Top Layer w0.1: v1(30.861,96.012) 31.595,96.012 32.065,96.482 J1-3.B7@32.69,96.482 ; U1-6.13@104.878,99.068 104.878,97.306 107.188,94.996 v1(108.077,94.996)
  Bottom Layer w0.1: v1(30.861,96.012) 31.63,96.012 33.381,97.763 46.001,97.763 66.167,77.597 89.669,77.597 107.068,94.996 v1(108.077,94.996)
USB-ESP_P: J1-3.B6 U1-6.14 | length 102.4
  Top Layer w0.1: v1@30.924,95.059 v1(30.988,94.996) 32.051,94.996 32.065,94.982 J1-3.B6@32.69,94.982 ; U1-6.14@103.608,99.068 103.658,99.018 103.658,98.025 107.391,94.292 v1(108.077,94.292)
  Bottom Layer w0.1: v1@30.924,95.059 v1(30.988,94.996) 31.115,94.996 33.528,97.409 45.854,97.409 66.02,77.243 89.816,77.243 106.865,94.292 v1(108.077,94.292)
USB-STM32_N: J1-3.A7 U1-7.70 | length 120.3
  Top Layer w0.1: J1-3.A7@32.69,95.482 33.55,95.482 v1(33.909,95.123) ; v1(113.411,49.022) 114.997,49.022 115.155,49.18 U1-7.70@115.936,49.18
  Bottom Layer w0.1: v1(33.909,95.123) 34.367,95.581 45.269,95.581 73.386,67.464 109.32,67.464 119.507,57.277 119.507,51.054 119.38,50.927 113.418,50.927 112.93,50.439 112.93,49.503 v1(113.411,49.022)
USB-STM32_P: J1-3.A6 U1-7.71 | length 120.1
  Top Layer w0.1: J1-3.A6@32.787,95.885 J1-3.A6@32.69,95.982 33.498,95.982 v1(33.909,96.393) ; v1(114.173,49.657) 115.132,49.657 115.155,49.68 U1-7.71@115.936,49.68
  Bottom Layer w0.1: v1(33.909,96.393) 34.367,95.935 45.416,95.935 73.533,67.818 109.467,67.818 119.861,57.424 119.861,50.907 119.527,50.573 113.565,50.573 113.284,50.292 113.284,49.911 113.538,49.657 v1(114.173,49.657)
USB-VCC: C1-5.2 C5-3.2 C6-3.1 C7-3.2 C9-3.2 J1-3.A4_B9 J1-3.B4_A9 R6-3.2 R8-3.2 U1-3.18 U1-5.2 U2-3.7 U2-3.8 U3-3.7 U3-3.8 | length 49.3
  Top Layer w0.2: 39.116,98.006 39.116,101.219 39.401,101.504 U1-3.18@40.252,101.504 ; R6-3.2@43.194,89.902 C7-3.2@44.944,89.902 ; C1-5.2@91.694,81.156 C1-5.2@91.818,81.28
  Top Layer w0.4: U3-3.8@63.221,88.976 63.256,88.976 63.31,89.03 C9-3.2@63.31,90.627 63.29,90.647 63.29,92.258 R8-3.2@63.27,92.278 ; 66.518,97.79 74.676,97.79 v3(76.2,96.266)
  Top Layer w0.5: R6-3.2@43.18,89.889 R6-3.2@43.194,89.902 ; C7-3.2@44.944,89.902 C7-3.2@44.958,89.916 U2-3.8@46.685,89.916 ; U1-5.2@91.694,77.978 C1-5.2@91.694,81.156 ; v3(91.694,83.312) 91.756,83.25 91.756,81.342 C1-5.2@91.818,81.28
  Bottom Layer w0.4: v3(76.2,96.266) 77.47,94.996 82.296,94.996 91.694,85.598 v3(91.694,83.312)
VBUS_FET_EN: R10-3.1 U1-3.3 | length 28.1
  Top Layer w0.1: U1-3.3@44.084,102.504 44.804,102.504 45.339,103.038 v1(45.339,103.048) ; v1(63.246,95.25) 63.246,93.943 R10-3.1@63.26,93.929
  Bottom Layer w0.1: v1(45.339,103.048) 44.12,103.048 43.688,102.616 43.688,101.092 49.53,95.25 v1(63.246,95.25)
VSAFE_FET_EN: R9-3.1 U1-3.4 | length 17.9
  Top Layer w0.1: U1-3.4@44.084,103.004 44.304,103.004 45.28,103.7 45.339,103.759 v1(45.339,104.216)
  Top Layer w0.2: R9-3.1@41.402,89.879 v1(41.402,90.932)
  Layer 3 w0.2: v1(41.402,90.932) 41.402,100.279 v1(45.339,104.216)
pads on no net: *1-7.11 *1-7.12 *1-7.13 J1-3. J1-3.A8 J1-3.B8 J1-6.03 U1-2.7 U1-2.8 U1-2.9 U1-2.10 U1-3.7 U1-3.8 U1-3.10 U1-3.16 U1-3.17 U1-3.20 U1-3.21 U1-4.22 U1-5.4 U1-5.5 U1-5.6 U1-5.7 U1-5.9 U1-6.4 U1-6.15 U1-6.16 U1-6.26 U1-6.28 U1-6.29 U1-6.30 U1-6.32 U1-6.33 U1-6.34 U1-6.35 U1-6.38 U1-6.39 U1-7.1 U1-7.2 U1-7.3 U1-7.4 U1-7.5 U1-7.7 U1-7.15 U1-7.18 U1-7.24 U1-7.25 U1-7.28 U1-7.32 U1-7.33 U1-7.37 U1-7.38 U1-7.40 U1-7.42 U1-7.45 U1-7.47 U1-7.51 U1-7.52 U1-7.57 U1-7.58 U1-7.62 U1-7.63 U1-7.64 U1-7.65 U1-7.66 U1-7.67 U1-7.68 U1-7.69 U1-7.77 U1-7.80 U1-7.87 U1-7.92 U1-7.93 U1-7.95 U1-7.96 U1-7.97 U1-7.98 U2-2.7 U2-2.8 U2-2.9 U2-2.10 U2-6.3 U2-8.2 U4-2.7 U4-2.8 U4-2.9 U4-2.10

## Polygon pours and split planes (outlines as drawn)
GND on Top Layer "GND_L01_P032" (solid, remove dead copper, pour order 32): 84.328,66.802 82.042,64.516 82.042,47.752 87.903,41.891 87.903,30.207 89.662,28.448 124.46,28.448 124.943,28.931 124.943,65.761 123.901,66.802 99.314,66.802
USB-VCC on Top Layer "USB-VCC_L01_P006" (solid, pour order 6): 48.26,95.91 48.92,96.571 48.971,96.583 64.414,96.571 66.269,94.717 66.269,90.17 65.405,89.306 62.103,89.306 62.103,87.376 67.33,87.376 68.253,88.3 68.253,96.745 66.548,98.45 32.258,98.45 32.258,97.866 34.087,97.866 34.493,97.46 34.493,94.056 34.087,93.65 32.258,93.65 32.258,93.066 32.283,93.091 46.228,93.091 46.482,92.837 46.482,88.976 48.26,88.976
GND on Top Layer "GND_L01_P034" (solid, pour order 34): 32.258,92.862 32.258,92.253 31.166,92.253 30.759,91.846 30.759,90.17 31.344,89.586 38.938,89.586 39.497,90.145 39.497,92.354 39.091,92.761 33.934,92.761 33.833,92.862
GND on Top Layer "GND_L01_P038" (solid, pour order 38): 110.541,93.675 110.541,89.967 114.249,89.967 114.249,93.675
GND on Top Layer "GND_L01_P033" (solid, pour order 33): 32.258,98.679 32.233,98.654 32.233,99.314 31.14,99.314 30.734,99.72 30.734,107.62 31.064,107.95 50.571,107.95 51.232,107.29 51.232,99.289 50.622,98.679 48.057,98.679
GND on Top Layer "GND_L01_P029" (solid, pour order 29): 76.59,93.037 77.733,93.037 77.937,92.833 81.162,92.833 81.848,92.148 81.848,89.252 81.416,88.82 77.606,88.82 76.59,89.836
GND on Top Layer "GND_L01_P028" (solid, pour order 28): 80.467,39.446 81.61,39.446 81.813,39.243 85.039,39.243 85.725,38.557 85.725,35.662 85.293,35.23 81.483,35.23 80.467,36.246
B_GND on Top Layer "B_GND_L01_P027" (solid, pour order 27): 76.066,94.831 75.27,95.627 70.723,95.627 70.266,95.17 70.266,88.998 70.494,88.769 75.32,88.769 76.066,89.515 76.066,90.716
B_GND on Top Layer "B_GND_L01_P026" (solid, pour order 26): 73.889,85.344 73.889,82.804 76.2,82.804 76.581,82.423 77.673,82.423 78.029,82.779 78.029,85.369 77.673,85.725 76.632,85.725 76.251,85.344
B_GND on Top Layer "B_GND_L01_P025" (solid, pour order 25): 73.889,80.518 73.889,77.978 76.2,77.978 76.581,77.597 77.673,77.597 78.029,77.953 78.029,80.543 77.673,80.899 76.632,80.899 76.251,80.518
B_GND on Top Layer "B_GND_L01_P024" (solid, pour order 24): 73.889,75.692 73.889,73.152 76.2,73.152 76.581,72.771 77.673,72.771 78.029,73.127 78.029,75.717 77.673,76.073 76.632,76.073 76.251,75.692
B_GND on Top Layer "B_GND_L01_P023" (solid, pour order 23): 73.889,70.866 73.889,68.326 76.2,68.326 76.581,67.945 77.673,67.945 78.029,68.301 78.029,70.891 77.673,71.247 76.632,71.247 76.251,70.866
B_GND on Top Layer "B_GND_L01_P022" (solid, pour order 22): 79.918,41.748 79.121,42.545 74.574,42.545 74.117,42.088 74.117,35.916 74.346,35.687 79.172,35.687 79.918,36.433 79.918,37.633
NetU3-3_1 on Top Layer "NETU3-3_1_L01_P021" (solid, pour order 21): 57.302,86.182 60.63,86.182 60.909,86.462 60.909,88.976 60.655,89.23 57.302,89.23 57.302,88.722 59.919,88.722 60.173,88.468 60.173,86.893 59.969,86.69 57.302,86.69
B_GND on Top Layer "B_GND_L01_P018" (solid, pour order 18): 61.366,36.881 61.036,36.551 61.036,33.96 61.239,33.757 72.466,33.757 72.669,33.96 72.669,36.576 72.365,36.881 71.476,36.881
+5V on Top Layer "+5V_L01_P017" (solid, pour order 17): 71.73,46.939 71.73,38.278 46.543,38.278 44.862,39.96 48.741,43.839 66.72,43.839 66.72,46.908 66.726,46.914
PD_VCC on Top Layer "PD_VCC_L01_P015" (solid, pour order 15): 62.992,70.714 59.566,67.288 59.566,64.231 59.706,64.091 62.264,64.091 62.346,64.173 62.346,65.445 63.678,66.777 68.986,66.777 69.977,67.767 69.977,86.082 69.368,86.69 62.23,86.69 62.23,84.912 62.636,84.912 62.992,84.557
NetC6-4_1 on Top Layer "NETC6-4_1_L01_P012" (solid, pour order 12): 59.566,59.851 59.566,56.207 60.833,54.94 71.73,54.94 71.73,58.039 63.448,58.039 62.346,59.141 62.346,59.909 62.285,59.97 59.627,59.97 59.587,59.93
NetU2-3_1 on Top Layer "NETU2-3_1_L01_P007" (solid, pour order 7): 46.482,84.049 46.482,86.97 47.066,87.554 48.971,87.554 49.53,86.995 49.53,84.049 49.022,84.049 49.022,86.614 48.616,87.02 47.396,87.02 46.99,86.614 46.99,84.049
GND on Layer 2 "GND_L02_P037" (solid, pour order 37): 26.67,107.95 26.162,107.442 26.162,28.956 26.67,28.448 124.46,28.448 124.968,28.956 124.968,107.442 124.46,107.95
B_GND on Layer 2 "B_GND_L02_P030" (solid, pour order 30): 60.642,36.893 60.642,33.084 61.468,32.258 77.978,32.258 79.121,33.401 79.121,87.249 78.232,88.138 75.184,88.138 74.422,88.9 74.422,94.742 73.533,95.631 57.023,95.631 54.991,93.599 54.991,75.946 53.848,74.803 51.054,74.803 49.911,73.66 49.911,40.513 52.197,38.227 59.309,38.227

## Other copper
Top Layer:
  pour cut-out: 119.44,39.847 119.501,39.847 119.663,40.009 119.663,40.315 119.592,40.386 119.405,40.386
  pour cut-out: 120.748,38.639 121.44,38.639 121.44,38.803 121.361,38.882 120.844,38.882 120.765,38.803 120.748,38.803
  pour cut-out: 117.286,59.748 117.545,60.008 117.545,60.39 117.139,60.39 116.968,60.219 116.968,59.748
  pour cut-out: 92.868,33.52 93.06,33.52 93.06,32.012 92.868,32.012
  pour cut-out: 108.458,60.427 109.423,60.427 109.423,60.046 108.483,60.046
  pour cut-out: 44.354,107.18 44.546,107.18 44.546,105.672 45.26,105.672 45.26,105.603 45.309,105.555 44.139,104.384 43.916,104.384 43.77,104.53 43.77,105.036 43.564,105.242 42.947,105.242 42.81,105.379 42.824,105.393 42.824,105.935 42.891,105.935 43.046,106.091 43.046,105.672 44.354,105.672
  pour cut-out: 46.094,107.18 45.854,107.18 45.854,106.736 46.094,106.736
  pour cut-out: 42.073,100.137 39.486,100.137 39.472,100.152 39.477,100.158 39.477,101.069 39.55,101.143 40.453,101.143 40.585,101.011 40.585,100.7 40.813,100.471 41.066,100.471
  pour cut-out: 46.136,100.281 46.04,100.185 44.612,100.185 44.612,99.802 43.501,99.802 43.501,100.247 43.805,100.552 45.11,100.552 45.34,100.782 46.136,100.782
  pour cut-out: 47.529,103.64 47.529,103.497 47.185,103.497 47.185,103.64
  pour cut-out: 47.564,101.836 47.529,101.871 47.529,101.989 46.389,101.989 46.383,101.983 46.437,101.929 46.437,101.836
  pour cut-out: 47.721,101.989 47.529,101.989 47.529,103.497 47.721,103.497
  pour cut-out: 47.529,103.64 47.529,103.497
  pour cut-out: 47.529,105.148 47.402,105.275 47.402,105.672 46.262,105.672 45.444,104.853 45.444,104.716 45.788,104.371 45.788,102.54 46.158,102.54 46.221,102.603 46.221,105.148
  pour cut-out: 112.148,36.441 112.148,36.975 112.15,36.973 112.854,36.973 112.854,36.441
  pour cut-out: 113.843,37.236 113.563,37.236 113.563,36.453 113.575,36.441 113.854,36.441
  pour cut-out: 95.728,51.711 96.063,51.711 97.707,50.067 97.707,48.82 97.658,48.772 97.59,48.772 96.703,49.658
  pour cut-out: 91.713,50.173 91.713,49.153 91.701,49.141 95.658,49.141 95.728,49.211 95.728,50.103 95.658,50.173
  pour cut-out: 101.478,39.286 102.276,39.286 102.264,39.299 102.264,39.695 102.57,40.001 103.88,40.001 103.88,40.38 103.87,40.37 101.478,40.37
Bottom Layer:
  pour cut-out: 107.239,49.022 108.204,48.057 108.61,48.057 105.029,44.475 101.498,44.475 101.498,44.907 103.2,44.907 103.2,44.983
  pour cut-out: 116.688,51.029 117.424,51.029 117.424,51.333 116.688,51.333

## Silkscreen, mask and mechanical layers (free items; w line width, h text height)
Top Overlay:
  drawing of 5 lines, arcs and shapes, not listed
  text "3V3-main" at 84.809,86.091 h1
  text "GND RX TX 3V3" at 110.49,70.358 h1.52
  text "PROG GND GND RESET" at 110.49,69.494 h1
  text "Design by M.L" at 101.496,67.439 h0.7
  text "13.05.2024" at 87.526,67.206 h0.7
  text "V3.0" at 109.37,65.936 h0.7
  text "VDD SWCLK  GND  SWDIO  NRST SWO BOOT0" at 86.714,63.102 h0.9
  text "5V GND" at 86.006,57.504 h1.52 r90
  text "5V" at 52.932,36.433 h1
  text "3V3-stm32" at 90.905,29.449 h1
Top Solder:
  lines w0.5: 34.456,73.524 40.758,73.524 ; 34.474,34.29 41.148,34.29 ; 34.474,54.102 40.894,54.102 ; 42.418,34.29 42.418,36.83 48.26,42.672 48.26,77.47 ; 42.418,54.61 42.418,56.388 43.688,57.658 43.942,57.658 48.26,57.658 ; 42.418,73.914 42.418,75.692 44.196,77.47 44.45,77.47 48.26,77.47 ; 47.219,41.58 47.676,41.58 ; 49.276,90.424 49.276,92.202 50.8,93.726 51.308,93.726 ; 50.546,90.678 50.546,92.964 51.308,93.726 ; 59.919,59.538 61.062,59.538 ; 61.062,59.385 61.062,59.538 ; 62.103,59.538 61.062,59.538 ; 63.246,38.862 63.246,41.402 ; 66.802,39.116 66.802,41.402 ; 70.358,39.116 70.358,41.402 ; 48.26,77.47 53.34,77.47 55.626,79.756 55.626,92.202 54.102,93.726 51.308,93.726
  lines w1: 61.062,59.385 61.112,59.334 61.112,57.531 62.052,56.591 67.742,56.591 ; 69.342,41.402 69.342,44.958
  lines w1.3: 47.676,41.58 71.171,41.58

## Text inside footprints (layer, text, board x,y; h text height)
U1-7: Mechanical 13 "*" at 101.179,51.295 h1.27; Top Overlay "*" at 98.809,51.676 h1.27